# Altium PCB PE300_Rev1_1.PcbDoc (part 1 of 2) (continued)
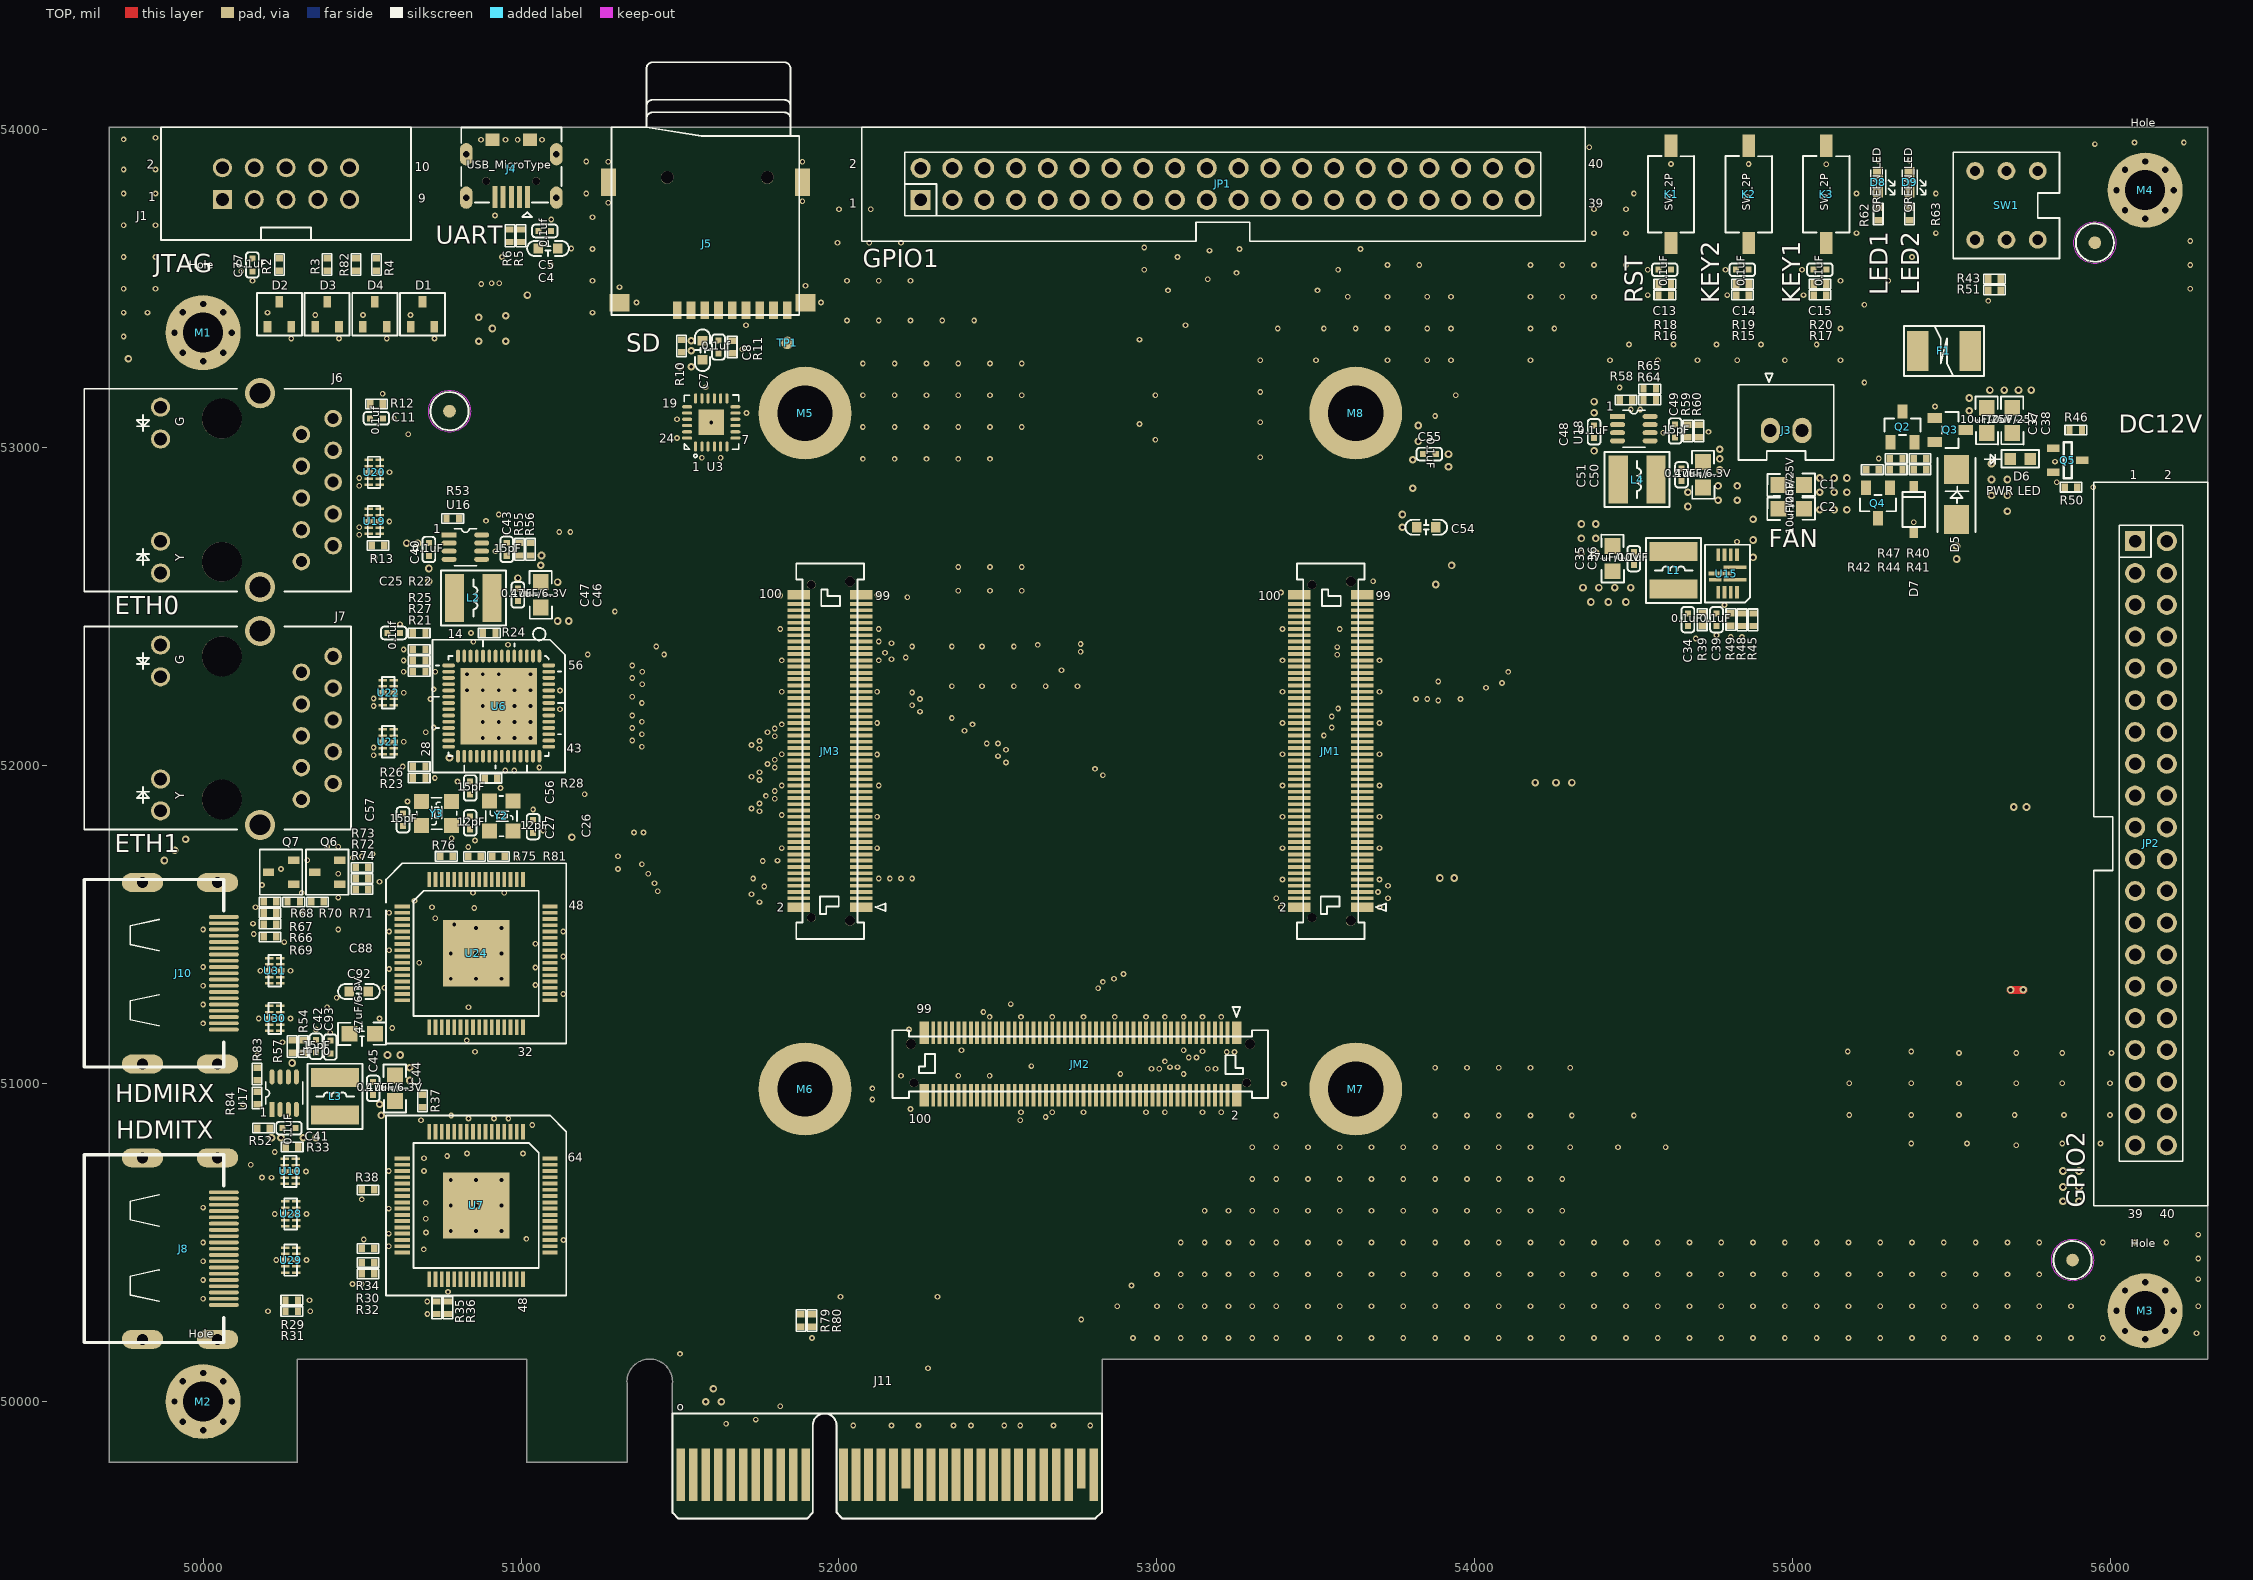
[diagram p0: TOP view]
## Footprints (in the part's own frame and the unit in brackets; to place one, negate y for a bottom-side part, rotate by r counter-clockwise, add the part's x,y. Pads: shape width x height; smd on the part's side, far side on the other; paste and mask are expansions set on the pad)
0402C#1 [mil] "0402C"
  rect 19x19 smd: 1(0,-20) 2(0,20)
  silkscreen extent -20,-40 20,40
0402C#2 [mil] "0402C"
  rect 19x19 smd: 1(0,20) 2(0,-20)
  silkscreen extent -20,-40 20,40
0402R#1 [mil] "0402R"
  rect 20x24 smd: 1(-19.69,0) 2(19.69,0)
  silkscreen extent -34,-15 34,15
0402R#2 [mil] "0402R"
  rect 20x24 smd: 1(19.69,0) 2(-19.69,0)
  silkscreen extent -34,-15 34,15
0603C#1 [mil] "0603C"
  rect 32x30 smd: 1(0,30) 2(0,-30)
  silkscreen extent -24,-65 24,65
0603C#2 [mil] "0603C"
  rect 32x30 smd: 1(0,-30) 2(0,30)
  silkscreen extent -24,-65 24,65
0603LED [mil] "0603LED"
  rect 35.43x31.5 smd: A(-30,0) K(30,0)
  silkscreen extent -40,-24 39,51
0603LED_AK [mm] "0603LED_AK"
  rect 0.9x0.95 smd: A(0.8,0) K(-0.8,0)
  silkscreen extent -1.5,-0.7 2.89,0.7
0805C#1 [mil] "0805C"
  rect 50x50 smd: 1(1.85,40) 2(1.85,-40)
  silkscreen extent -38,-75 38,75
0805C#2 [mil] "0805C"
  rect 50x50 smd: 1(-1.85,-40) 2(-1.85,40)
  silkscreen extent -38,-75 38,75
1206C [mil] "1206C"
  rect 60x70 smd: 1(59.5,0) 2(-60.5,0)
  silkscreen extent -100,-45 100,45
1206R [mil] "1206R"
  rect 50x70 smd: 1(60,0) 2(-60,0)
  silkscreen extent -95,-45 95,45
1812F [mil] "1812F"
  rect 68x126 smd: 1(-82.68,0) 2(82.68,0)
  silkscreen extent -126,-79 126,79
AO3415 [mil] "AO3415"
  rect 31.5x45.28 smd: D(0,48.23) G(-37.4,-48.23) S(37.4,-48.23)
  silkscreen extent -57,-26 57,26
ESD_0524P [mm] "ESD_0524P"
  rect 0.2x0.68 smd: 1(-1,-0.44) 2(-0.5,-0.44) 4(0.5,-0.44) 5(1,-0.44) 6(1,0.44) 7(0.5,0.44) 9(-0.5,0.44) 10(-1,0.44)
  rect 0.4x0.68 smd: 3(0,-0.44) 8(0,0.44)
  silkscreen extent -1.25,-1.4 1.25,0.5
FINGER-PCI-EX4 [mm] "FINGER-PCI-EX4"
  rect 0.7x3.2 smd far side: A1(-16.5,-0.2)
  rect 0.7x4.2 smd far side: A2(-15.5,-0.7) A3(-14.5,-0.7) A4(-13.5,-0.7) A5(-12.5,-0.7) A6(-11.5,-0.7) A7(-10.5,-0.7) A8(-9.5,-0.7) A9(-8.5,-0.7) A10(-7.5,-0.7) A11(-6.5,-0.7) A12(-3.5,-0.7) A13(-2.5,-0.7) A14(-1.5,-0.7) A15(-0.5,-0.7) A16(0.5,-0.7) A17(1.5,-0.7) A18(2.5,-0.7) A19(3.5,-0.7) A20(4.5,-0.7) A21(5.5,-0.7) A22(6.5,-0.7) A23(7.5,-0.7) A24(8.5,-0.7) A25(9.5,-0.7) A26(10.5,-0.7) A27(11.5,-0.7) A28(12.5,-0.7) A29(13.5,-0.7) A30(14.5,-0.7) A31(15.5,-0.7) A32(16.5,-0.7)
  rect 0.7x4.2 smd: B1(-16.5,-0.7) B2(-15.5,-0.7) B3(-14.5,-0.7) B4(-13.5,-0.7) B5(-12.5,-0.7) B6(-11.5,-0.7) B7(-10.5,-0.7) B8(-9.5,-0.7) B9(-8.5,-0.7) B10(-7.5,-0.7) B11(-6.5,-0.7) B12(-3.5,-0.7) B13(-2.5,-0.7) B14(-1.5,-0.7) B15(-0.5,-0.7) B16(0.5,-0.7) B18(2.5,-0.7) B19(3.5,-0.7) B20(4.5,-0.7) B21(5.5,-0.7) B22(6.5,-0.7) B23(7.5,-0.7) B24(8.5,-0.7) B25(9.5,-0.7) B26(10.5,-0.7) B27(11.5,-0.7) B28(12.5,-0.7) B29(13.5,-0.7) B30(14.5,-0.7) B32(16.5,-0.7)
  rect 0.7x3.2 smd: B17(1.5,-0.2) B31(15.5,-0.2)
  silkscreen extent -17.15,-4.2 17.15,4.2
HDMI19S [mm] "HDMI19S"
  oval 0.3x2.4 smd: 1(4.5,5.5) 2(4,5.5) 3(3.5,5.5) 4(3,5.5) 5(2.5,5.5) 6(2,5.5) 7(1.5,5.5) 8(1,5.5) 9(0.5,5.5) 10(0,5.5) 11(-0.5,5.5) 12(-1,5.5) 13(-1.5,5.5) 14(-2,5.5) 15(-2.5,5.5) 16(-3,5.5) 17(-3.5,5.5) 18(-4,5.5) 19(-4.5,5.5)
  oval 1.5x3.3 hole 0.9: BO1(7.25,5) BO2(-7.25,5) BO3(7.25,-1) BO4(-7.25,-1)
  silkscreen extent -7.5,-5.65 7.5,5.5
HDR254F-2X5X850 [mil] "HDR254F-2X5X850"
  rect 60x60 hole 40: 1(-50,200)
  round 60 hole 40: 2(50,200) 3(-50,100) 4(50,100) 5(-50,0) 6(50,0) 7(-50,-100) 8(50,-100) 9(-50,-200) 10(50,-200)
  silkscreen extent -177,-394 177,394
HOLE32CIR60 [mil] "HOLE32CIR60"
  round 236 hole 126: 1(0,0)
  round 40 hole 20: " "(-90,0) " "(-63.64,-63.64) " "(-63.64,63.64) " "(0,-90) " "(0,90) " "(63.64,-63.64) " "(63.64,63.64) " "(90,0)
HOLE174-292 [mil] "HOLE174-292"
  round 292 hole 174: 1(0,0)
IDC40-2_54A [mil] "IDC40-2_54A"
  rect 62.99x62.99 hole 39.37: 1(-952.5,-50)
  round 62.99 hole 39.37: 2(-952.5,50) 3(-852.5,-50) 4(-852.5,50) 5(-752.5,-50) 6(-752.5,50) 7(-652.5,-50) 8(-652.5,50) 9(-552.5,-50) 10(-552.5,50) 11(-452.5,-50) 12(-452.5,50) 13(-352.5,-50) 14(-352.5,50) 15(-252.5,-50) 16(-252.5,50) 17(-152.5,-50) 18(-152.5,50) 19(-52.5,-50) 20(-52.5,50) 21(47.5,-50) 22(47.5,50) 23(147.5,-50) 24(147.5,50) 25(247.5,-50) 26(247.5,50) 27(347.5,-50) 28(347.5,50) 29(447.5,-50) 30(447.5,50) 31(547.5,-50) 32(547.5,50) 33(647.5,-50) 34(647.5,50) 35(747.5,-50) 36(747.5,50) 37(847.5,-50) 38(847.5,50) 39(947.5,-50) 40(947.5,50)
  silkscreen extent -1138,-180 1138,178
L4020 [mil] "L4020"
  rect 60x150 smd: 1(-59.06,0) 2(59.06,0)
  silkscreen extent -102,-87 102,87
NB679 [mil] "NB679"
  rect 12x72 smd: 1(19.68,23.62) 2(-19.68,23.62) 7(0,-23.62)
  rect 40x12 smd: 3(-59.06,29.53) 4(-59.06,9.84) 5(-59.06,-9.84) 6(-59.06,-29.53) 9(59.06,-29.53) 10(59.06,-9.84) 11(59.06,9.84) 12(59.06,29.53)
  rect 12x40 smd: 8(19.68,-39.37)
  silkscreen extent -91,-71 91,98
QFN24-0P5-4X4 [mil] "QFN24-0P5-4X4"
  oval 32x10 smd: 1(-75.78,49.22) 2(-75.78,29.54) 3(-75.78,9.85) 4(-75.78,-9.83) 5(-75.78,-29.52) 6(-75.78,-49.2) 13(75.78,-49.2) 14(75.78,-29.52) 15(75.78,-9.83) 16(75.78,9.85) 17(75.78,29.54) 18(75.78,49.22)
  oval 10x32 smd: 7(-49.22,-75.8) 8(-29.54,-75.8) 9(-9.85,-75.8) 10(9.83,-75.8) 11(29.52,-75.8) 12(49.2,-75.8) 19(49.2,75.8) 20(29.52,75.8) 21(9.83,75.8) 22(-9.85,75.8) 23(-29.53,75.8) 24(-49.22,75.8)
  rect 80x80 smd: 25(0,0)
  silkscreen extent -110,-86 86,85
QFN28-0P5-5X5 [mil] "QFN28-0P5-5X5"
  oval 36x12 smd: 1(94.49,-59.07) 2(94.49,-39.39) 3(94.49,-19.7) 4(94.49,-0.02) 5(94.49,19.67) 6(94.49,39.36) 7(94.49,59.04) 15(-94.49,59.04) 16(-94.49,39.36) 17(-94.49,19.67) 18(-94.49,-0.01) 19(-94.49,-19.7) 20(-94.49,-39.39) 21(-94.49,-59.07)
  oval 12x36 smd: 8(59.07,94.48) 9(39.38,94.48) 10(19.7,94.48) 11(0.01,94.48) 12(-19.67,94.48) 13(-39.36,94.48) 14(-59.04,94.48) 22(-59.05,-94.48) 23(-39.37,-94.48) 24(-19.68,-94.48) 25(0,-94.48) 26(19.69,-94.48) 27(39.37,-94.48) 28(59.06,-94.48)
  rect 110.24x110.24 smd: 29(0,0)
  silkscreen extent -144,-133 132,144
QFN56-0P5-8X8TS [mil] "QFN56-0P5-8X8TS"
  oval 40x12 smd: 1(-157.48,127.95) 2(-157.48,108.27) 3(-157.48,88.58) 4(-157.48,68.9) 5(-157.48,49.21) 6(-157.48,29.53) 7(-157.48,9.84) 8(-157.48,-9.84) 9(-157.48,-29.53) 10(-157.48,-49.21) 11(-157.48,-68.9) 12(-157.48,-88.58) 13(-157.48,-108.27) 14(-157.48,-127.95) 29(157.48,-127.95) 30(157.48,-108.27) 31(157.48,-88.58) 32(157.48,-68.9) 33(157.48,-49.21) 34(157.48,-29.53) 35(157.48,-9.84) 36(157.48,9.84) 37(157.48,29.53) 38(157.48,49.21) 39(157.48,68.9) 40(157.48,88.58) 41(157.48,108.27) 42(157.48,127.95)
  oval 12x40 smd: 15(-127.95,-157.48) 16(-108.27,-157.48) 17(-88.58,-157.48) 18(-68.9,-157.48) 19(-49.21,-157.48) 20(-29.53,-157.48) 21(-9.84,-157.48) 22(9.84,-157.48) 23(29.53,-157.48) 24(49.21,-157.48) 25(68.9,-157.48) 26(88.58,-157.48) 27(108.27,-157.48) 28(127.95,-157.48) 43(127.95,157.48) 44(108.27,157.48) 45(88.58,157.48) 46(68.9,157.48) 47(49.21,157.48) 48(29.53,157.48) 49(9.84,157.48) 50(-9.84,157.48) 51(-29.53,157.48) 52(-49.21,157.48) 53(-68.9,157.48) 54(-88.58,157.48) 55(-108.27,157.48) 56(-127.95,157.48)
  rect 240x240 smd: 57(0,0)
  silkscreen extent -246,-209 209,209
QFP64_10X10_0P5_T [mm] "QFP64_10X10_0P5_T"
  rect 1.219x0.305 smd: 1(-5.9,3.75) 2(-5.9,3.25) 3(-5.9,2.75) 4(-5.9,2.25) 5(-5.9,1.75) 6(-5.9,1.25) 7(-5.9,0.75) 8(-5.9,0.25) 9(-5.9,-0.25) 10(-5.9,-0.75) 11(-5.9,-1.25) 12(-5.9,-1.75) 13(-5.9,-2.25) 14(-5.9,-2.75) 15(-5.9,-3.25) 16(-5.9,-3.75) 33(5.9,-3.75) 34(5.9,-3.25) 35(5.9,-2.75) 36(5.9,-2.25) 37(5.9,-1.75) 38(5.9,-1.25) 39(5.9,-0.75) 40(5.9,-0.25) 41(5.9,0.25) 42(5.9,0.75) 43(5.9,1.25) 44(5.9,1.75) 45(5.9,2.25) 46(5.9,2.75) 47(5.9,3.25) 48(5.9,3.75)
  rect 0.305x1.219 smd: 17(-3.75,-5.9) 18(-3.25,-5.9) 19(-2.75,-5.9) 20(-2.25,-5.9) 21(-1.75,-5.9) 22(-1.25,-5.9) 23(-0.75,-5.9) 24(-0.25,-5.9) 25(0.25,-5.9) 26(0.75,-5.9) 27(1.25,-5.9) 28(1.75,-5.9) 29(2.25,-5.9) 30(2.75,-5.9) 31(3.25,-5.9) 32(3.75,-5.9) 49(3.75,5.9) 50(3.25,5.9) 51(2.75,5.9) 52(2.25,5.9) 53(1.75,5.9) 54(1.25,5.9) 55(0.75,5.9) 56(0.25,5.9) 57(-0.25,5.9) 58(-0.75,5.9) 59(-1.25,5.9) 60(-1.75,5.9) 61(-2.25,5.9) 62(-2.75,5.9) 63(-3.25,5.9) 64(-3.75,5.9)
  rect 5.3x5.3 smd: 65(0,0)
  silkscreen extent -7.2,-7.2 7.2,7.2
QT51A01-38200-7H [mm] "QT51A01-38200-7H"
  rect 1.8x0.75 smd: 1(-2.5,12.479) 2(2.5,12.479) 99(-2.5,-12.479) 100(2.5,-12.479)
  rect 1.8x0.305 smd: 3(-2.5,11.75) 4(2.5,11.75) 5(-2.5,11.25) 6(2.5,11.25) 7(-2.5,10.75) 8(2.5,10.75) 9(-2.5,10.25) 10(2.5,10.25) 11(-2.5,9.75) 12(2.5,9.75) 13(-2.5,9.25) 14(2.5,9.25) 15(-2.5,8.75) 16(2.5,8.75) 17(-2.5,8.25) 18(2.5,8.25) 19(-2.5,7.75) 20(2.5,7.75) 21(-2.5,7.25) 22(2.5,7.25) 23(-2.5,6.75) 24(2.5,6.75) 25(-2.5,6.25) 26(2.5,6.25) 27(-2.5,5.75) 28(2.5,5.75) 29(-2.5,5.25) 30(2.5,5.25) 31(-2.5,4.75) 32(2.5,4.75) 33(-2.5,4.25) 34(2.5,4.25) 35(-2.5,3.75) 36(2.5,3.75) 37(-2.5,3.25) 38(2.5,3.25) 39(-2.5,2.75) 40(2.5,2.75) 41(-2.5,2.25) 42(2.5,2.25) 43(-2.5,1.75) 44(2.5,1.75) 45(-2.5,1.25) 46(2.5,1.25) 47(-2.5,0.75) 48(2.5,0.75) 49(-2.5,0.25) 50(2.5,0.25) 51(-2.5,-0.25) 52(2.5,-0.25) 53(-2.5,-0.75) 54(2.5,-0.75) 55(-2.5,-1.25) 56(2.5,-1.25) 57(-2.5,-1.75) 58(2.5,-1.75) 59(-2.5,-2.25) 60(2.5,-2.25) 61(-2.5,-2.75) 62(2.5,-2.75) 63(-2.5,-3.25) 64(2.5,-3.25) 65(-2.5,-3.75) 66(2.5,-3.75) 67(-2.5,-4.25) 68(2.5,-4.25) 69(-2.5,-4.75) 70(2.5,-4.75) 71(-2.5,-5.25) 72(2.5,-5.25) 73(-2.5,-5.75) 74(2.5,-5.75) 75(-2.5,-6.25) 76(2.5,-6.25) 77(-2.5,-6.75) 78(2.5,-6.75) 79(-2.5,-7.25) 80(2.5,-7.25) 81(-2.5,-7.75) 82(2.5,-7.75) 83(-2.5,-8.25) 84(2.5,-8.25) 85(-2.5,-8.75) 86(2.5,-8.75) 87(-2.5,-9.25) 88(2.5,-9.25) 89(-2.5,-9.75) 90(2.5,-9.75) 91(-2.5,-10.25) 92(2.5,-10.25) 93(-2.5,-10.75) 94(2.5,-10.75) 95(-2.5,-11.25) 96(2.5,-11.25) 97(-2.5,-11.75) 98(2.5,-11.75)
  round 0.8 hole 0.8: " "(-1.6,13.55) " "(-1.6,-13.55)
  round 0.7 hole 0.7: " "(1.5,13.3) " "(1.5,-13.3)
  silkscreen extent -4.42,-15 2.7,15
RJ45_HR911130A [mil] "RJ45_HR911130A"
  round 55 hole 35: 1(225.2,-363.78) 2(175.2,-263.78) 3(125.2,-363.78) 4(75.2,-263.78) 5(25.2,-363.78) 6(-24.8,-263.78) 7(-74.8,-363.78) 8(-124.8,-263.78) 9(-174.8,-363.78) 10(-224.8,-263.78)
  round 60 hole 40: 11(260.83,179.13) 12(160.83,179.13) 13(-160.83,179.13) 14(-260.83,179.13)
  round 95 / inner round 85 / far side round 95 hole 65: 15(304.92,-133.86) 16(-304.92,-133.86)
  round 125 hole 125: " "(-225,-13.78) " "(225,-13.78)
  silkscreen extent -319,-419 319,419
SMA [mm] "SMA"
  rect 2.3x2 smd: A(-2,0) K(2,0)
  silkscreen extent -2.99,-1.52 2.93,1.52
SO8N-1P27-3P9X4P9 [mil] "SO8N-1P27-3P9X4P9"
  rect 24x56 smd: 1(75,104.33) 2(25,104.33) 3(-25,104.33) 4(-75,104.33) 5(-75,-104.33) 6(-25,-104.33) 7(25,-104.33) 8(75,-104.33)
  silkscreen extent -110,-150 110,189
SOD123_AK [mil] "SOD123_AK"
  rect 32x28 smd: A(73.84,0) K(-73.8,0)
  silkscreen extent -55,-35 55,35
SOT23 [mm] "SOT23"
  rect 1x0.6 smd: 1(-1.15,0.95) 2(-1.15,-0.95) 3(1.15,0)
  silkscreen extent -0.33,-1.45 0.32,1.45
SOT23-3 [mil] "SOT23-3"
  rect 31.5x45.28 smd: 1(-37.4,-48.23) 2(37.4,-48.23) 3(0,48.23)
  silkscreen extent -57,-26 57,26
SOT23-8 [mm] "SOT23-8"
  rect 0.4x1.2 smd: 1(-0.975,-1.3)
  oval 0.4x1.2 smd: 2(-0.325,-1.3) 3(0.325,-1.3) 4(0.975,-1.3) 5(0.975,1.3) 6(0.325,1.3) 7(-0.325,1.3) 8(-0.975,1.3)
  silkscreen extent -1.48,-0.9 1.48,0.9
SOT23-236AB [mil] "SOT23-236AB"
  rect 24x36 smd: 1(-37.4,-39.37) 2(37.4,-39.37) 3(0,39.37)
  silkscreen extent -71,-67 71,67
SW2_3X6 [mil] "SW2_3X6"
  rect 70x40 smd: 1(-152.56,2.5) 2(152.56,2.5)
  silkscreen extent -120,-70 120,75
SW6-2P5-5P5 [mil] "SW6-2P5-5P5"
  round 56 hole 32: 1(-98.43,-108.27) 2(0,-108.27) 3(98.42,-108.27) 4(-98.43,108.27) 5(0,108.27) 6(98.42,108.27)
  silkscreen extent -167,-167 167,167
TF-15-15B [mm] "TF-15-15B"
  rect 0.7x1.4 smd: 1(2.244,7.1) 2(1.144,7.1) 3(0.044,7.1) 4(-1.056,7.1) 5(-2.156,7.1) 6(-3.256,7.1) 7(-4.356,7.1) 8(-5.456,7.1) 9(-6.556,7.1)
  rect 1.6x1.4 smd: 10(-8.006,6.5) 11(6.844,6.5)
  rect 1.2x2.2 smd: 12(-7.756,-3.1) 13(7.744,-3.1)
  round 1.016 hole 1.016: " "(-4.956,-3.5) " "(3.044,-3.5)
  silkscreen extent -7.51,-12.7 7.49,7.5
TP4 [mm] "TP4"
  round 1 smd: 1(0,0)
USBMICRO_H [mil] "USBMICRO_H"
  rect 16x70 smd: 1(-51.18,97.5) 2(-25.59,97.5) 3(0,97.5) 4(25.59,97.5) 5(51.18,97.5)
  oval 40x70 hole 20: 6(-141.73,99.7) 7(141.73,99.7) 8(-141.73,-36.91) 9(141.73,-36.91)
  rect 44x40 smd: 10(-59.06,-82.19) 11(59.06,-82.19)
  round 24 hole 24: " "(-78.74,47.74) " "(78.74,47.74)
  silkscreen extent -157,-122 157,160
XH2_1X2_2P54MM [mil] "XH2_1X2_2P54MM"
  oval 80x60 / inner round 60 / far side oval 80x60 hole 40: 1(25.59,-49.8) 2(25.59,50.2)
  silkscreen extent -154,-150 118,150
XTAL3225M [mm] "XTAL3225M"
  rect 1.2x1.2 smd: 1(-1.09,-0.95) 2(1.31,-0.95) 3(1.31,0.95) 4(-1.09,0.95)
  silkscreen extent -2.16,-1.25 1.71,1.25

## Free pads (board coordinates)
  round 60 smd far side: 1(50235,53629.95) 1(50405,50455)
  round 40 smd: 1(50775,53114.95) 1(55950,53644.95)
  round 40 all layers, no hole: 1(55880,50444.95)

## Via types
v1: diameter 18, hole 10, TOP to BOTTOM, 779 vias
v2: diameter 24, hole 12, TOP to BOTTOM, 156 vias

## Nets (pads, with @x,y where several pads share a name; then routed paths per layer and width w, separated by ;. In a path a pad name is that pad's centre, name@x,y a point inside that pad or via, vN(x,y) a via of type N, cw(c..) or ccw(c..) an arc to the next point about the centre after c; other vN are vias at no path point)
3.3V_PCIE: J11.A9 J11.A10 J11.B8 R79.1 R80.2
5V_HDMI: J8.18 R29.2 R31.2
5V_HDMI_RX: J10.18 R66.1 R67.1 R68.1 R71.1 U24.64 U25.8
12V_PCIE: D5.A J11.A2 J11.A3 J11.B1 J11.B2 J11.B3
7513_AVDD_1V8: C80.1 C81.1 C82.1 C83.1 U7.15 U7.19 U7.25
7513_DVDD_1V8: C28.1 C29.1 C30.1 C78.1 C79.1 U7.1 U7.11 U7.31 U7.51
7513_PVDD_1V8: C84.1 C85.1 C86.1 U7.12 U7.13
CEC: J8.13 U10.1 U10.10
CEC_CLK: R32.2 U7.32
CEC_IO: R30.2 U7.30
CON_SD_CLK: J5.5 R11.1 U3.19
CON_SD_CMD: J5.3 R10.1 U3.20
CON_SD_DATA0: J5.7 U3.18
CON_SD_DATA1: J5.8 U3.16
CON_SD_DATA2: J5.1 U3.23
CON_SD_DATA3: J5.2 U3.22
CVDD_1V8: C64.1 C88.1 U24.2 U24.14
DDCSCL: J8.15 R29.1 U7.33 U10.2 U10.9
DDCSDA: J8.16 R31.1 U7.34 U10.4 U10.7
ETH0_MDI0_N: J6.3 JM3.84 U19.2 U19.9
ETH0_MDI0_P: J6.2 JM3.82 U19.1 U19.10
ETH0_MDI1_N: J6.7 JM3.88 U19.5 U19.6
ETH0_MDI1_P: J6.4 JM3.86 U19.4 U19.7
ETH0_MDI2_N: J6.6 JM3.94 U20.2 U20.9
ETH0_MDI2_P: J6.5 JM3.92 U20.1 U20.10
ETH0_MDI3_N: J6.9 JM3.98 U20.5 U20.6
ETH0_MDI3_P: J6.8 JM3.96 U20.4 U20.7
ETH1_25M_XI: C26.1 R28.1 U6.34 Y2.1
ETH1_25M_XO: C27.1 R28.2 U6.33 Y2.3
ETH1_MDI0_N: J7.3 U6.27 U21.2 U21.9
ETH1_MDI0_P: J7.2 U6.28 U21.1 U21.10
ETH1_MDI1_N: J7.7 U6.23 U21.5 U21.6
ETH1_MDI1_P: J7.4 U6.24 U21.4 U21.7
ETH1_MDI2_N: J7.6 U6.21 U22.2 U22.9
ETH1_MDI2_P: J7.5 U6.22 U22.1 U22.10
ETH1_MDI3_N: J7.9 U6.17 U22.5 U22.6
ETH1_MDI3_P: J7.8 U6.18 U22.4 U22.7
ETH1_NRST: JM1.4 R21.2 U6.16
ETH1_RGMII_MDC: JM1.6 U6.7
ETH1_RGMII_MDIO: JM1.8 R24.2 U6.8
ETH1_RXCK: JM1.22 U6.46
ETH1_RXCTL: JM1.12 U6.43
ETH1_RXD0: JM1.14 U6.44
ETH1_RXD1: JM1.16 U6.45
ETH1_RXD2: JM1.18 U6.47
ETH1_RXD3: JM1.24 U6.48
ETH1_TXCK: JM1.32 U6.53
ETH1_TXCTL: JM1.38 U6.56
ETH1_TXD0: JM1.26 U6.50
ETH1_TXD1: JM1.28 U6.51
ETH1_TXD2: JM1.34 U6.54
ETH1_TXD3: JM1.36 U6.55
FPGA_TCK: D2.3 JM3.15 R2.1
FPGA_TDI: D4.3 JM3.21 R82.1
FPGA_TDO: D3.3 JM3.17 R3.1
FPGA_TMS: D1.3 JM3.23 R4.1
GND: C1.1 C2.1 C3.2 C4.1 C5.1 C6.2 C7.1 C8.1 C9.2 C10.2 C11.2 C12.2 C13.2 C14.2 C15.2 C16.2 C17.2 C18.2 C19.2 C20.2 C21.2 C22.2 C23.2 C24.2 C25.2 C26.2 C27.2 C28.2 C29.2 C30.2 C31.2 C32.2 C33.2 C35.1 C36.1 C37.1 C38.1 C39.2 C40.1 C41.1 C44.1 C45.1 C46.1 C47.1 C48.1 C50.1 C51.1 C52.2 C54.2 C55.2 C56.2 C57.2 C58.2 C59.2 C60.2 C61.2 C62.2 C63.2 C64.2 C65.2 C66.2 C77.2 C78.2 C79.2 C80.2 C81.2 C82.2 C83.2 C84.2 C85.2 C86.2 C87.2 C88.2 C89.2 C90.2 C91.2 C92.2 C93.2 D1.1 D2.1 D3.1 D4.1 D7.A J1.2 J1.10 J3.2 J4.5 J4.6 J4.7 J4.8 J4.9 J4.10 J4.11 J5.6 J5.10 J5.11 J5.12 J5.13 J6.12 J7.12 J8.2 J8.5 J8.8 J8.11 J8.17 J8.BO1 J8.BO2 J8.BO3 J8.BO4 J10.2 J10.5 J10.8 J10.11 J10.17 J10.BO1 J10.BO2 J10.BO3 J10.BO4 J11.A4 J11.A12 J11.A15 J11.A18 J11.A20 J11.A23 J11.A24 J11.A27 J11.A28 J11.A31 J11.B4 J11.B7 J11.B13 J11.B16 J11.B18 J11.B21 J11.B22 J11.B25 J11.B26 J11.B29 J11.B32 JM1.9 JM1.10 JM1.19 JM1.20 JM1.29 JM1.30 JM1.39 JM1.40 JM1.49 JM1.50 JM1.59 JM1.60 JM1.69 JM1.70 JM1.79 JM1.80 JM1.89 JM1.90 JM1.99 JM1.100 JM2.5 JM2.6 JM2.11 JM2.12 JM2.17 JM2.18 JM2.23 JM2.24 JM2.29 JM2.30 JM2.39 JM2.40 JM2.49 JM2.50 JM2.59 JM2.60 JM2.69 JM2.70 JM2.79 JM2.80 JM2.89 JM2.90 JM2.99 JM2.100 JM3.19 JM3.20 JM3.29 JM3.30 JM3.39 JM3.40 JM3.49 JM3.50 JM3.59 JM3.60 JM3.69 JM3.70 JM3.79 JM3.80 JM3.89 JM3.90 JM3.99 JM3.100 JP1.12 JP1.30 JP2.12 JP2.30 K1.1 K2.1 K3.1 M1.1 M2.1 M3.1 M4.1 M5.1 M6.1 M7.1 M8.1 Q5.2 Q6.2 Q7.2 R9.1 R14.1 R26.1 R27.1 R30.1 R32.1 R33.2 R37.2 R38.1 R47.2 R48.2 R51.2 R56.1 R57.1 R60.1 R61.1 R70.2 R74.2 U1.3 U1.29 U3.2 U3.11 U3.25 U6.57 U7.65 U10.3 U10.8 U15.2 U15.4 U15.10 U16.4 U16.6 U17.4 U17.6 U18.4 U18.6 U19.3 U19.8 U20.3 U20.8 U21.3 U21.8 U22.3 U22.8 U24.65 U25.1 U25.2 U25.3 U25.4 U28.3 U28.8 U29.3 U29.8 U30.3 U30.8 U31.3 U31.8 Y2.2 Y2.4 Y3.2 Y3.4
  other v2: 50778.74,50536.69 50858.74,50536.69 50938.74,50536.69 50778.74,50616.69 50858.74,50616.69 50938.74,50616.69 50778.74,50696.69 50858.74,50696.69 50938.74,50696.69 50778.74,51329.73 50858.74,51329.73 50938.74,51329.73 50778.74,51409.73 50858.74,51409.73 50938.74,51409.73 50858.74,51489.73 50938.74,51489.73 50790,51500 50879.57,52087.4 50929.57,52087.4 50979.57,52087.4 51029.57,52087.4 50879.57,52137.4 50929.57,52137.4 50979.57,52137.4 51029.57,52137.4 50879.57,52187.4 50929.57,52187.4 50979.57,52187.4 51029.57,52187.4 50829.57,52237.4 50879.57,52237.4 50929.57,52237.4 50979.57,52237.4 51029.57,52237.4 50829.57,52287.4 50879.57,52287.4 50929.57,52287.4 51029.57,52287.4 51598.21,53079.57 50866.79,53335 50951.79,53335 50909.76,53375 50866.79,53410 50951.79,53415
GPIO1_0N: JM1.83 JP1.2
GPIO1_0P: JM1.81 JP1.1
GPIO1_1N: JM1.44 JP1.4
GPIO1_1P: JM1.42 JP1.3
GPIO1_2N: JM1.48 JP1.6
GPIO1_2P: JM1.46 JP1.5
GPIO1_3N: JM1.54 JP1.8
GPIO1_3P: JM1.52 JP1.7
GPIO1_4N: JM1.58 JP1.10
GPIO1_4P: JM1.56 JP1.9
GPIO1_5N: JM1.64 JP1.14
GPIO1_5P: JM1.62 JP1.13
GPIO1_6N: JM1.68 JP1.16
GPIO1_6P: JM1.66 JP1.15
GPIO1_7N: JM1.74 JP1.18
GPIO1_7P: JM1.72 JP1.17
GPIO1_8N: JM1.78 JP1.20
GPIO1_8P: JM1.76 JP1.19
GPIO1_9N: JM1.84 JP1.22
GPIO1_9P: JM1.82 JP1.21
GPIO1_10N: JM1.88 JP1.24
GPIO1_10P: JM1.86 JP1.23
GPIO1_11N: JM1.94 JP1.26
GPIO1_11P: JM1.92 JP1.25
GPIO1_12N: JM1.98 JP1.28
GPIO1_12P: JM1.96 JP1.27
GPIO1_13N: JM1.97 JP1.32
GPIO1_13P: JM1.95 JP1.31
GPIO1_14N: JM1.87 JP1.34
GPIO1_14P: JM1.85 JP1.33
GPIO1_15N: JM1.77 JP1.36
GPIO1_15P: JM1.75 JP1.35
GPIO1_16N: JM1.73 JP1.38
GPIO1_16P: JM1.71 JP1.37
GPIO1_17N: JM1.67 JP1.40
GPIO1_17P: JM1.65 JP1.39
GPIO2_0N: JM1.63 JP2.2
GPIO2_0P: JM1.61 JP2.1
GPIO2_1N: JM1.57 JP2.4
GPIO2_1P: JM1.55 JP2.3
GPIO2_2N: JM1.53 JP2.6
GPIO2_2P: JM1.51 JP2.5
GPIO2_3N: JM1.47 JP2.8
GPIO2_3P: JM1.45 JP2.7
GPIO2_4N: JM1.43 JP2.10
GPIO2_4P: JM1.41 JP2.9
GPIO2_5N: JM1.37 JP2.14
GPIO2_5P: JM1.35 JP2.13
GPIO2_6N: JM1.33 JP2.16
GPIO2_6P: JM1.31 JP2.15
GPIO2_7N: JM3.58 JP2.18
GPIO2_7P: JM3.56 JP2.17
GPIO2_8N: JM3.54 JP2.20
GPIO2_8P: JM3.52 JP2.19
GPIO2_9N: JM1.23 JP2.22
GPIO2_9P: JM1.21 JP2.21
GPIO2_10N: JM3.48 JP2.24
GPIO2_10P: JM3.46 JP2.23
GPIO2_11N: JM3.44 JP2.26
GPIO2_11P: JM3.42 JP2.25
GPIO2_12N: JM3.38 JP2.28
GPIO2_12P: JM3.36 JP2.27
GPIO2_13N: JM3.34 JP2.32
GPIO2_13P: JM3.32 JP2.31
GPIO2_14N: JM3.57 JP2.34
GPIO2_14P: JM3.55 JP2.33
GPIO2_15N: JM3.53 JP2.36
GPIO2_15P: JM3.51 JP2.35
GPIO2_16N: JM3.47 JP2.38
GPIO2_16P: JM3.45 JP2.37
GPIO2_17N: JM3.43 JP2.40
GPIO2_17P: JM3.41 JP2.39
HDMI_HPD: J8.19 R33.1 U7.16 U10.5 U10.6
HDMI_RX_DE: JM3.24 U24.45
HDMI_RX_HS: JM3.26 U24.46
HDMI_RX_INT: JM1.2 R81.1 U24.55
HDMI_RX_LLC: JM2.81 U24.25
HDMI_RX_LRCLK: JM1.5 U24.50
HDMI_RX_MCLK: JM1.3 U24.51
HDMI_RX_P0: JM3.22 U24.43
HDMI_RX_P1: JM3.31 U24.42
HDMI_RX_P2: JM3.33 U24.41
HDMI_RX_P3: JM3.35 U24.39
HDMI_RX_P4: JM3.37 U24.38
HDMI_RX_P5: JM2.45 U24.37
HDMI_RX_P6: JM2.47 U24.36
HDMI_RX_P7: JM2.51 U24.35
HDMI_RX_P8: JM2.53 U24.33
HDMI_RX_P9: JM2.55 U24.32
HDMI_RX_P10: JM2.57 U24.31
HDMI_RX_P11: JM2.61 U24.30
HDMI_RX_P12: JM2.63 U24.29
HDMI_RX_P13: JM2.65 U24.28
HDMI_RX_P14: JM2.67 U24.27
HDMI_RX_P15: JM2.71 U24.26
HDMI_RX_P16: JM2.73 U24.22
HDMI_RX_P17: JM2.75 U24.21
HDMI_RX_P18: JM2.77 U24.20
HDMI_RX_P19: JM2.83 U24.19
HDMI_RX_P20: JM2.85 U24.18
HDMI_RX_P21: JM2.87 U24.17
HDMI_RX_P22: JM2.95 U24.16
HDMI_RX_P23: JM2.97 U24.15
HDMI_RX_RST: JM2.31 R75.1 U24.56
HDMI_RX_SCLK: JM1.7 U24.49
HDMI_RX_SPDIF: JM1.1 U24.48
HDMI_RX_VS: JM3.28 U24.47
HDMI_SCL: JM2.43 R35.2 U7.35 U24.53
HDMI_SDA: JM2.41 R36.2 U7.36 U24.54
HDMI_TX_CLK: JM2.62 U7.53
HDMI_TX_D0: JM2.92 U7.62
HDMI_TX_D1: JM2.88 U7.61
HDMI_TX_D2: JM2.86 U7.60
HDMI_TX_D3: JM2.84 U7.59
HDMI_TX_D4: JM2.82 U7.58
HDMI_TX_D5: JM2.78 U7.57
HDMI_TX_D6: JM2.76 U7.56
HDMI_TX_D7: JM2.74 U7.55
HDMI_TX_D8: JM2.72 U7.54
HDMI_TX_D9: JM2.68 U7.52
HDMI_TX_D10: JM2.66 U7.50
HDMI_TX_D11: JM2.64 U7.49
HDMI_TX_D12: JM2.58 U7.48
HDMI_TX_D13: JM2.56 U7.47
HDMI_TX_D14: JM2.54 U7.46
HDMI_TX_D15: JM2.52 U7.45
HDMI_TX_D16: JM2.48 U7.44
HDMI_TX_D17: JM2.46 U7.43
HDMI_TX_D18: JM2.44 U7.42
HDMI_TX_D19: JM2.42 U7.41
HDMI_TX_D20: JM2.38 U7.40
HDMI_TX_D21: JM2.36 U7.39
HDMI_TX_D22: JM2.34 U7.38
HDMI_TX_D23: JM2.32 U7.37
HDMI_TX_DE: JM2.94 U7.63
HDMI_TX_HS: JM2.96 U7.64
HDMI_TX_INT: JM2.35 R34.2 U7.28
HDMI_TX_VS: JM2.98 U7.2
N18052688: C6.1 R7.2 U1.9
N18052822: J4.3 R6.1
N18052826: J4.2 R5.1
N18058952: F1.1
N18080734: R83.2 R84.2 U17.8
N18080771: C42.2 R54.1 R57.2 U17.7
N18080863: L3.1 U17.3
N18080938: C43.2 R55.1 R56.2 U16.7
N18081069: L2.1 U16.3
N18081721: R45.2 R48.1 U15.11
N18081879: R39.1 U15.8
N18081884: C34.2 R39.2
N18081899: C34.1 L1.1 U15.7
N18082651: C39.1 R49.1 U15.9
N18395071: R64.2 R65.2 U18.8
N18395099: C49.2 R59.1 R60.2 U18.7
N18395188: L4.1 U18.3
N18395932: D7.K R41.2 R44.1
N18395945: Q3.G Q4.3 R42.2 R43.2 SW1.2 SW1.5
N18395979: R43.1 R51.1 SW1.1 SW1.4
N18396043: D6.K R46.1
N18396075: Q2.G R40.2 R47.1
N18396077: Q5.1 R50.2
N18396081: Q5.3 R46.2
N18396093: Q2.S Q3.S Q4.2 R40.1 R41.1 R42.1
N18396139: Q4.1 R44.2
N18396348: F1.2 Q2.D
N18436851: C54.1
N18566458: J6.11 R12.1
N18566480: J6.14 R13.1
N18566494: C12.1 J6.10 J6.15 J6.16 R14.2
N18566614: C11.1 J6.1
N18568990: J7.14 R23.1
N18568992: J7.11 R22.1
N18569013: C52.1 J7.10 J7.15 J7.16 R61.2
N18569047: R25.2 R27.2 U6.15
N18569090: C25.1 J7.1
N18569358: R26.2 U6.30
N18571693: R37.1 U7.14
N18572131: R38.2 U7.22
N18580617: J10.13 R69.2
N18598253: C56.1 R76.1 U24.58 Y3.1
N18598257: C57.1 R76.2 U24.59 Y3.3
N18602827: Q6.3 Q7.1 R71.2
N18602846: Q6.1 R72.2 R73.2 R74.1
N18610140: R70.1 U25.7
N18612495: C72.2 J11.A26
N18612497: C70.2 J11.A22
N18612499: C69.2 J11.A21
N18612501: C74.2 J11.A30
N18612503: C68.2 J11.A17
N18612505: C73.2 J11.A29
N18612507: C67.2 J11.A16
N18612509: C71.2 J11.A25
N18612627: J11.A1 R77.1 R78.1
N18612689: J11.B10 R79.2
N18639230: C76.2 J11.A14
N18639232: C75.2 J11.A13
N18644856: C15.1 K3.2 R17.2 R20.2
N18644974: C13.1 K1.2 R16.2 R18.2
N18645048: C14.1 K2.2 R15.2 R19.2
N18645823: R8.1 R9.2 U3.24
N18645972: J5.9 TP1.1
N18675647: J1.5 R4.2
N18675649: J1.3 R3.2
N18675651: J1.1 R2.2
N18675661: J1.9 R82.2
N186454390: D8.K R62.2
N186454510: D9.K R63.2
NRSTIN: JM3.16 R18.1
PCIE_CLK_N: C76.1 JM2.1
PCIE_CLK_P: C75.1 JM2.3
PCIE_PERSTN: J11.A11 JM2.37 R80.1
PCIE_PRSNTN_X1: J11.B17 R77.2
PCIE_PRSNTN_X4: J11.B31 R78.2
PCIE_RX0_N: J11.B15 JM2.26
PCIE_RX0_P: J11.B14 JM2.28
PCIE_RX1_N: J11.B20 JM2.20
PCIE_RX1_P: J11.B19 JM2.22
PCIE_RX2_N: J11.B24 JM2.14
PCIE_RX2_P: J11.B23 JM2.16
PCIE_RX3_N: J11.B28 JM2.8
PCIE_RX3_P: J11.B27 JM2.10
PCIE_TX0_N: C68.1 JM2.25
PCIE_TX0_P: C67.1 JM2.27
PCIE_TX1_N: C70.1 JM2.19
PCIE_TX1_P: C69.1 JM2.21
PCIE_TX2_N: C72.1 JM2.13
PCIE_TX2_P: C71.1 JM2.15
PCIE_TX3_N: C74.1 JM2.7
PCIE_TX3_P: C73.1 JM2.9
PG_1V0: R53.1 U16.1
PG_1V8: R52.1 U17.1
PG_3V3: R50.1 R58.1 R84.1 U18.1
PG_5V: R49.2 R64.1 R83.1 U15.3 U16.8
PG_MOD: JM3.14 R65.1
PHY0_LED0: J6.13 JM3.78
PHY0_LED1: JM3.76 R12.2
PHY1_LED0: J7.13 U6.14
PHY1_LED1: R22.2 U6.13
PHY_AVDDH3V3: C23.1 C24.1 U6.20 U6.25
PHY_AVDDL1V8: C18.1 C19.1 U6.3 U6.19 U6.26 U6.35 U6.38
PL_KEY1: JM1.25 R20.1
PL_KEY2: JM1.27 R19.1
PL_LED1: JM1.17 R62.1
PL_LED2: JM1.15 R63.1
PVDD_1V8: C65.1 C89.1 U24.57
PWR_EN: JM3.12
RX_CEC: R69.1 U24.61
RX_DDCSCL: J10.15 R66.2 U24.62 U25.6
RX_DDCSDA: J10.16 R67.2 U24.63 U25.5
RX_HPA: J10.19 Q7.3 R68.2 U24.1
RX_HPD_CTRL: JM2.33 R73.1
SD_CLK: JM3.73 U3.9
SD_CMD: JM3.75 U3.4
SD_DATA0: JM3.77 U3.6
SD_DATA1: JM3.81 U3.7
SD_DATA2: JM3.83 U3.1
SD_DATA3: JM3.85 U3.3
TMDS_RX0_N: J10.9 U24.6 U31.2 U31.9
TMDS_RX0_P: J10.7 U24.7 U31.1 U31.10
TMDS_RX1_N: J10.6 U24.9 U30.5 U30.6
TMDS_RX1_P: J10.4 U24.10 U30.4 U30.7
TMDS_RX2_N: J10.3 U24.12 U30.2 U30.9
TMDS_RX2_P: J10.1 U24.13 U30.1 U30.10
TMDS_RXC_N: J10.12 U24.3 U31.5 U31.6
TMDS_RXC_P: J10.10 U24.4 U31.4 U31.7
TMDS_TX0_N: J8.9 U7.20 U28.2 U28.9
TMDS_TX0_P: J8.7 U7.21 U28.1 U28.10
TMDS_TX1_N: J8.6 U7.23 U29.5 U29.6
TMDS_TX1_P: J8.4 U7.24 U29.4 U29.7
TMDS_TX2_N: J8.3 U7.26 U29.2 U29.9
TMDS_TX2_P: J8.1 U7.27 U29.1 U29.10
TMDS_TXC_N: J8.12 U7.17 U28.5 U28.6
TMDS_TXC_P: J8.10 U7.18 U28.4 U28.7
TVDD_3V3: C66.1 C87.1 U24.5 U24.8 U24.11
UART_RX: JM3.72 U1.26
UART_TX: JM3.74 U1.25
USB2UART_DM: R5.2 U1.5
USB2UART_DP: R6.2 U1.4
VCC_1V0: C16.1 C17.1 C43.1 C46.2 C47.2 L2.2 R55.2 U6.6 U6.42 U16.5
VCC_1V8: C10.1 C42.1 C44.2 C45.2 C61.1 C62.1 C63.1 C92.1 C93.1 L3.2 R8.2 R54.2 U3.5 U17.5 U24.24 U24.40 U24.52 U24.60
VCC_3V3: C7.2 C8.2 C9.1 C20.1 C21.1 C22.1 C31.1 C32.1 C33.1 C49.1 C50.2 C51.2 C58.1 C59.1 C60.1 C90.1 C91.1 D8.A D9.A J5.4 JP1.29 JP2.29 L4.2 R10.2 R11.2 R13.2 R15.1 R16.1 R17.1 R21.1 R23.2 R24.1 R25.1 R34.1 R35.1 R36.1 R58.2 R59.2 R72.1 R75.2 R81.2 U3.17 U3.21 U6.10 U6.11 U6.49 U6.52 U7.29 U18.5 U24.23 U24.34 U24.44
VCC_5V: C35.2 C36.2 C40.2 C41.2 C48.2 C55.1 JP1.11 JP2.11 L1.2 R52.2 R53.2 U15.5 U16.2 U17.2 U18.2
VCC_12V: C1.2 C2.2 C37.2 C38.2 D5.K D6.A J3.1 JM3.1 JM3.2 JM3.3 JM3.4 JM3.5 JM3.6 JM3.7 JM3.8 Q3.D R45.1 U15.1
VCC_MOD_3V3: C77.1 D1.2 D2.2 D3.2 D4.2 J1.4 J1.6 JM3.11 JM3.13
VCC_UART_3V3: C3.1 R7.1 U1.6
VDD_USB2UART_5V: C4.2 C5.2 J4.1 U1.7 U1.8
VIOTA: JM1.91 JM1.93
VIOTB: JM1.11 JM1.13
VIOTC: JM2.91 JM2.93
WARM_NRST: JM3.18
XADC_VN: JM3.68
XADC_VP: JM3.66
pads on no net: "J4. " "J5. " "J6. " "J7. " "JM1. " "JM2. " "JM3. " "M1. " "M2. " "M3. " "M4. " J1.7 J1.8 J4.4 J8.14 J10.14 J11.A5 J11.A6 J11.A7 J11.A8 J11.A19 J11.A32 J11.B5 J11.B6 J11.B9 J11.B11 J11.B12 J11.B30 JM2.2 JM2.4 JM3.9 JM3.10 JM3.25 JM3.27 JM3.61 JM3.62 JM3.63 JM3.64 JM3.65 JM3.67 JM3.71 JM3.87 JM3.91 JM3.93 JM3.95 JM3.97 SW1.3 SW1.6 U1.1 U1.2 U1.10 U1.11 U1.12 U1.13 U1.14 U1.15 U1.16 U1.17 U1.18 U1.19 U1.20 U1.21 U1.22 U1.23 U1.24 U1.27 U1.28 U3.8 U3.10 U3.12 U3.13 U3.14 U3.15 U6.1 U6.2 U6.4 U6.5 U6.9 U6.12 U6.29 U6.31 U6.32 U6.36 U6.37 U6.39 U6.40 U6.41 U7.3 U7.4 U7.5 U7.6 U7.7 U7.8 U7.9 U7.10 U15.6 U15.12

## Text inside footprints (layer, text, board x,y; h text height)
C28: PIN_NUMBER "1" at 51061.85,50825 h25 r180; PIN_NUMBER "2" at 51061.85,50905 h25 r180; Bottom Overlay "47uF/6.3V" at 51071.85,50865 h25 r180
C29: PIN_NUMBER "1" at 50996.38,50808.97 h25 r180; PIN_NUMBER "2" at 50996.38,50848.97 h25 r180; Bottom Overlay "0.1uF" at 50954.38,50837.31 h25 r180
C30: PIN_NUMBER "1" at 50835,50805 h25 r180; PIN_NUMBER "2" at 50835,50845 h25 r180; Bottom Overlay "0.1uF" at 50793,50833.33 h25 r180
C31: PIN_NUMBER "1" at 50550,50570 h25 r270; PIN_NUMBER "2" at 50490,50570 h25 r270
C32: PIN_NUMBER "1" at 50616.46,50575 h25 r90; PIN_NUMBER "2" at 50656.46,50575 h25 r90; Bottom Overlay "0.1uF" at 50638.12,50523 h25 r270
C33: PIN_NUMBER "1" at 50616.46,50528.11 h25 r90; PIN_NUMBER "2" at 50656.46,50528.11 h25 r90; Bottom Overlay "0.1uF" at 50638.12,50476.11 h25 r270
C34: Top Overlay "0.1uF" at 54618,52450.91 h25; PIN_NUMBER "1" at 54660,52479.25 h25; PIN_NUMBER "2" at 54660,52439.25 h25
C35: Top Overlay "47uF/10V" at 54353.5,52643.05 h25; PIN_NUMBER "1" at 54423.15,52611.39 h25 r180; PIN_NUMBER "2" at 54423.15,52691.39 h25 r180
C36: Top Overlay "0.1uF" at 54448,52643.05 h25; PIN_NUMBER "1" at 54490,52631.39 h25 r180; PIN_NUMBER "2" at 54490,52671.39 h25 r180
C37: Top Overlay "10uF/25V" at 55526.77,53077.59 h25; PIN_NUMBER "1" at 55600.12,53125.93 h25; PIN_NUMBER "2" at 55600.12,53045.93 h25
C38: Top Overlay "10uF/25V" at 55606.77,53077.59 h25; PIN_NUMBER "1" at 55680.12,53125.93 h25; PIN_NUMBER "2" at 55680.12,53045.93 h25
C39: Top Overlay "0.1uF" at 54708,52450.91 h25; PIN_NUMBER "2" at 54750,52439.25 h25; PIN_NUMBER "1" at 54750,52479.25 h25
C40: Top Overlay "0.1uF" at 50658,52671.67 h25; PIN_NUMBER "1" at 50700,52660 h25 r180; PIN_NUMBER "2" at 50700,52700 h25 r180
C41: Top Overlay "0.1uF" at 50278.33,50808 h25 r90; PIN_NUMBER "1" at 50280,50860 h25 r270; PIN_NUMBER "2" at 50240,50860 h25 r270
C42: Top Overlay "15pF" at 50314,51108.87 h25; PIN_NUMBER "1" at 50345,51137.2 h25; PIN_NUMBER "2" at 50345,51097.2 h25
C43: Top Overlay "15pF" at 50914,52671.92 h25; PIN_NUMBER "2" at 50945,52700.25 h25 r180; PIN_NUMBER "1" at 50945,52660.25 h25 r180
C44: Top Overlay "47uF/6.3V" at 50513,50976.67 h25; PIN_NUMBER "2" at 50593.15,51025 h25 r180; PIN_NUMBER "1" at 50593.15,50945 h25 r180
C45: Top Overlay "0.1uF" at 50483,50976.67 h25; PIN_NUMBER "2" at 50525,51005 h25 r180; PIN_NUMBER "1" at 50525,50965 h25 r180
C46: Top Overlay "47uF/6.3V" at 50968,52529.11 h25; PIN_NUMBER "1" at 51051.85,52577.45 h25; PIN_NUMBER "2" at 51051.85,52497.45 h25
C47: Top Overlay "0.1uF" at 50938,52529.11 h25; PIN_NUMBER "1" at 50980,52557.45 h25; PIN_NUMBER "2" at 50980,52517.45 h25
C48: Top Overlay "0.1uF" at 54323,53041.67 h25; PIN_NUMBER "1" at 54365,53030 h25 r180; PIN_NUMBER "2" at 54365,53070 h25 r180
C49: Top Overlay "15pF" at 54589,53044.47 h25; PIN_NUMBER "2" at 54620,53072.8 h25 r180; PIN_NUMBER "1" at 54620,53032.8 h25 r180
C50: Top Overlay "47uF/6.3V" at 54628,52906.67 h25; PIN_NUMBER "2" at 54708.15,52955 h25 r180; PIN_NUMBER "1" at 54708.15,52875 h25 r180
C51: Top Overlay "0.1uF" at 54598,52906.67 h25; PIN_NUMBER "2" at 54640,52935 h25 r180; PIN_NUMBER "1" at 54640,52895 h25 r180
C52: PIN_NUMBER "1" at 50090,52084.62 h25; PIN_NUMBER "2" at 49970,52084.62 h25
C54: PIN_NUMBER "1" at 53866.89,52750 h25 r270; PIN_NUMBER "2" at 53806.89,52750 h25 r270
C55: Top Overlay "0.1uF" at 53848.56,53032 h25 r270; PIN_NUMBER "2" at 53826.89,52980 h25 r270; PIN_NUMBER "1" at 53866.89,52980 h25 r270
C56: Top Overlay "15pF" at 50799,51921.67 h25; PIN_NUMBER "1" at 50830,51910 h25 r180; PIN_NUMBER "2" at 50830,51950 h25 r180
C57: Top Overlay "15pF" at 50587.74,51821.4 h25; PIN_NUMBER "1" at 50618.74,51809.73 h25 r180; PIN_NUMBER "2" at 50618.74,51849.73 h25 r180
C58: PIN_NUMBER "1" at 51086.02,51276.78 h25 r270; PIN_NUMBER "2" at 51046.02,51276.78 h25 r270; Bottom Overlay "0.1uF" at 51067.69,51224.78 h25 r270
C59: PIN_NUMBER "1" at 50750,51470 h25 r90; PIN_NUMBER "2" at 50810,51470 h25 r90
C60: PIN_NUMBER "1" at 50804.21,51167.45 h25 r180; PIN_NUMBER "2" at 50804.21,51207.45 h25 r180; Bottom Overlay "0.1uF" at 50866.21,51179.12 h25
C61: PIN_NUMBER "1" at 51086.02,51394.89 h25 r270; PIN_NUMBER "2" at 51046.02,51394.89 h25 r270; Bottom Overlay "0.1uF" at 51067.69,51342.89 h25 r270
C62: PIN_NUMBER "1" at 50897.32,51602.02 h25; PIN_NUMBER "2" at 50897.32,51542.02 h25
C63: PIN_NUMBER "1" at 50848.74,51167.45 h25 r180; PIN_NUMBER "2" at 50848.74,51207.45 h25 r180; Bottom Overlay "0.1uF" at 50910.74,51179.11 h25
C64: PIN_NUMBER "1" at 50605,51540 h25 r90; PIN_NUMBER "2" at 50645,51540 h25 r90; Bottom Overlay "0.1uF" at 50626.67,51488 h25 r270
C65: PIN_NUMBER "1" at 50808.9,51592.02 h25; PIN_NUMBER "2" at 50808.9,51552.02 h25; Bottom Overlay "0.1uF" at 50870.9,51563.68 h25
C66: PIN_NUMBER "1" at 50605,51355 h25 r90; PIN_NUMBER "2" at 50645,51355 h25 r90; Bottom Overlay "0.1uF" at 50626.67,51303 h25 r270
C67: PIN_NUMBER "1" at 52180.34,50330 h25; PIN_NUMBER "2" at 52180.34,50290 h25; Bottom Overlay "0.1uF" at 52242.34,50301.67 h25
C68: PIN_NUMBER "1" at 52225.34,50330 h25; PIN_NUMBER "2" at 52225.34,50290 h25; Bottom Overlay "0.1uF" at 52287.34,50301.67 h25
C69: PIN_NUMBER "1" at 52355.3,50330 h25; PIN_NUMBER "2" at 52355.3,50290 h25; Bottom Overlay "0.1uF" at 52417.3,50301.67 h25
C70: PIN_NUMBER "1" at 52400.3,50330 h25; PIN_NUMBER "2" at 52400.3,50290 h25; Bottom Overlay "0.1uF" at 52462.3,50301.67 h25
C71: PIN_NUMBER "2" at 52512.78,50295 h25; PIN_NUMBER "1" at 52512.78,50335 h25; Bottom Overlay "0.1uF" at 52574.78,50306.67 h25
C72: PIN_NUMBER "1" at 52557.78,50335 h25; PIN_NUMBER "2" at 52557.78,50295 h25; Bottom Overlay "0.1uF" at 52619.78,50306.67 h25
C73: PIN_NUMBER "1" at 52670.26,50335 h25; PIN_NUMBER "2" at 52670.26,50295 h25; Bottom Overlay "0.1uF" at 52732.26,50306.67 h25
C74: PIN_NUMBER "1" at 52715.26,50335 h25; PIN_NUMBER "2" at 52715.26,50295 h25; Bottom Overlay "0.1uF" at 52777.26,50306.67 h25
C75: PIN_NUMBER "2" at 52040.34,50290 h25; PIN_NUMBER "1" at 52040.34,50330 h25; Bottom Overlay "0.1uF" at 52102.34,50301.67 h25
C76: PIN_NUMBER "2" at 52085.34,50290 h25; PIN_NUMBER "1" at 52085.34,50330 h25; Bottom Overlay "0.1uF" at 52147.34,50301.67 h25
C77: Top Overlay "0.1uF" at 50103,53566.67 h25; PIN_NUMBER "2" at 50145,53555 h25; PIN_NUMBER "1" at 50145,53595 h25
C78: PIN_NUMBER "1" at 50656.46,50478.74 h25 r270; PIN_NUMBER "2" at 50616.46,50478.74 h25 r270; Bottom Overlay "0.1uF" at 50646.46,50478.74 h25 r270
C79: PIN_NUMBER "1" at 51081.02,50508.43 h25 r270; PIN_NUMBER "2" at 51041.02,50508.43 h25 r270; Bottom Overlay "0.1uF" at 51071.02,50508.43 h25 r270
C80: PIN_NUMBER "1" at 50690,50805 h25 r180; PIN_NUMBER "2" at 50690,50845 h25 r180; Bottom Overlay "0.1uF" at 50700,50825 h25 r180
C81: PIN_NUMBER "1" at 50616.46,50625 h25 r90; PIN_NUMBER "2" at 50656.46,50625 h25 r90; Bottom Overlay "0.1uF" at 50646.46,50625 h25 r90
C82: PIN_NUMBER "1" at 50626.85,50785 h25 r180; PIN_NUMBER "2" at 50626.85,50865 h25 r180; Bottom Overlay "47uF/6.3V" at 50636.85,50825 h25 r180
C83: PIN_NUMBER "1" at 50616.46,50724.96 h25 r90; PIN_NUMBER "2" at 50656.46,50724.96 h25 r90; Bottom Overlay "0.1uF" at 50646.46,50724.96 h25 r90
C84: PIN_NUMBER "1" at 50740,50845 h25; PIN_NUMBER "2" at 50740,50805 h25; Bottom Overlay "0.1uF" at 50750,50825 h25
C85: PIN_NUMBER "1" at 50790,50953.15 h25 r90; PIN_NUMBER "2" at 50870,50953.15 h25 r90; Bottom Overlay "47uF/6.3V" at 50840,50953.15 h25 r90
C86: PIN_NUMBER "1" at 50785,50845 h25; PIN_NUMBER "2" at 50785,50805 h25; Bottom Overlay "0.1uF" at 50795,50825 h25
C87: PIN_NUMBER "1" at 50620,51410 h25 r90; PIN_NUMBER "2" at 50680,51410 h25 r90
C88: PIN_NUMBER "1" at 50510,51290 h25 r270; PIN_NUMBER "2" at 50450,51290 h25 r270
C89: PIN_NUMBER "1" at 50750,51592.02 h25; PIN_NUMBER "2" at 50750,51552.02 h25; Bottom Overlay "0.1uF" at 50760,51572.02 h25
C90: PIN_NUMBER "1" at 51086.02,51470 h25 r270; PIN_NUMBER "2" at 51046.02,51470 h25 r270; Bottom Overlay "0.1uF" at 51076.02,51470 h25 r270
C91: PIN_NUMBER "1" at 51070,51531.85 h25 r270; PIN_NUMBER "2" at 50990,51531.85 h25 r270; Bottom Overlay "47uF/6.3V" at 51040,51531.85 h25 r270
C92: Top Overlay "47uF/6.3V" at 50500,51156.85 h25 r90; PIN_NUMBER "1" at 50450,51156.85 h25 r90; PIN_NUMBER "2" at 50530,51156.85 h25 r90
C93: Top Overlay "0.1uF" at 50400,51115 h25 r180; PIN_NUMBER "1" at 50390,51095 h25 r180; PIN_NUMBER "2" at 50390,51135 h25 r180
D1: PIN_NUMBER "1" at 50638.19,53362.25 h31.1; PIN_NUMBER "3" at 50677.56,53441 h31.1; PIN_NUMBER "2" at 50716.93,53362.25 h31.1; PLACE_BOUND_TOP "H=1.1MM" at 50594.5,53413.6 h31
D2: PIN_NUMBER "1" at 50188.19,53362.25 h31.1; PIN_NUMBER "2" at 50266.93,53362.25 h31.1; PIN_NUMBER "3" at 50227.56,53441 h31.1; PLACE_BOUND_TOP "H=1.1MM" at 50144.5,53413.6 h31
D3: PIN_NUMBER "1" at 50338.19,53362.25 h31.1; PIN_NUMBER "3" at 50377.56,53441 h31.1; PIN_NUMBER "2" at 50416.93,53362.25 h31.1; PLACE_BOUND_TOP "H=1.1MM" at 50294.5,53413.6 h31
D4: PIN_NUMBER "1" at 50488.19,53362.25 h31.1; PIN_NUMBER "3" at 50527.56,53441 h31.1; PIN_NUMBER "2" at 50566.93,53362.25 h31.1; PLACE_BOUND_TOP "H=1.1MM" at 50444.5,53413.6 h31
D5: PIN_NUMBER "A" at 55505.12,52774.18 h25 r90; PIN_NUMBER "K" at 55505.12,52931.67 h25 r90
D6: PIN_NUMBER "K" at 55744.92,52965 h3.94 r180; PIN_NUMBER "A" at 55681.92,52965 h3.94 r180
D7: ASSEMBLY_TOP "*" at 55371.57,52819.6 h25 r270; ASSEMBLY_TOP "*" at 55371.57,52819.6 h25 r270; ASSEMBLY_TOP "BZX84C13" at 55371.57,52819.6 h25 r270; PIN_NUMBER "A" at 55378.85,52732.08 h3.94 r270; PIN_NUMBER "K" at 55378.85,52879.72 h3.94 r270
D8: Top Overlay "GREEN_LED" at 55277.04,53739 h25 r90; PIN_NUMBER "K" at 55258.71,53805 h25 r270; PIN_NUMBER "A" at 55258.71,53865 h25 r270
D9: Top Overlay "GREEN_LED" at 55375.46,53739 h25 r90; PIN_NUMBER "K" at 55357.13,53805 h25 r270; PIN_NUMBER "A" at 55357.13,53865 h25 r270
F1: PIN_NUMBER "2" at 55382.84,53304.58 h24 r180; PIN_NUMBER "1" at 55548.19,53304.58 h24 r180; PLACE_BOUND_TOP "H=0.85MM" at 55574.99,53273.21 h24 r180
J1: ASSEMBLY_TOP "*" at 50269.56,53817.02 h25 r90; ASSEMBLY_TOP "*" at 50269.56,53817.02 h25 r90; ASSEMBLY_TOP "JTAG" at 50269.56,53817.02 h25 r90; Top Overlay "10" at 50664.83,53869.64 h28; Top Overlay "9" at 50677.36,53771.21 h28; Top Overlay "2" at 49822.99,53877.51 h28; Top Overlay "1" at 49826.92,53775.15 h28; PIN_NUMBER "5" at 50259.13,53780.72 h3.94 r90; PIN_NUMBER "3" at 50159.13,53780.72 h3.94 r90; PIN_NUMBER "9" at 50459.13,53780.72 h3.94 r90; PIN_NUMBER "1" at 50059.13,53780.72 h3.94 r90; PIN_NUMBER "2" at 50059.13,53880.72 h3.94 r90; PIN_NUMBER "10" at 50457.55,53880.72 h3.94 r90; PIN_NUMBER "4" at 50159.13,53880.72 h3.94 r90; PIN_NUMBER "6" at 50259.13,53880.72 h3.94 r90; PIN_NUMBER "8" at 50359.13,53880.72 h3.94 r90; PIN_NUMBER "7" at 50359.13,53780.72 h3.94 r90; Bottom Overlay "10" at 50550.43,53873.58 h28; Bottom Overlay "9" at 50540.94,53775.15 h28; Bottom Overlay "2" at 50013.34,53873.58 h28; Bottom Overlay "1" at 50013.34,53775.15 h28
J3: ASSEMBLY_TOP "CON2" at 54923.11,53066.14 h25 r270; ASSEMBLY_TOP "*" at 54923.11,53066.14 h25 r270; ASSEMBLY_TOP "*" at 54923.11,53066.14 h25 r270; PIN_NUMBER "2" at 55027.64,53054.41 h3.94 r270; PIN_NUMBER "1" at 54927.64,53054.41 h3.94 r270